# Altium PCB FRONT-UNIT-7.PcbDoc (part 3 of 3)
Units mm, origin at the board's own origin, x right, y up, seen from the top; angles counter-clockwise.
Board outline 280 x 128 mm, 2 copper layers (Top Layer, Top, Bottom Layer, Bottom), stack 1.671 mm thick; 145 components, 118 nets, 623 pads, 1279 vias.
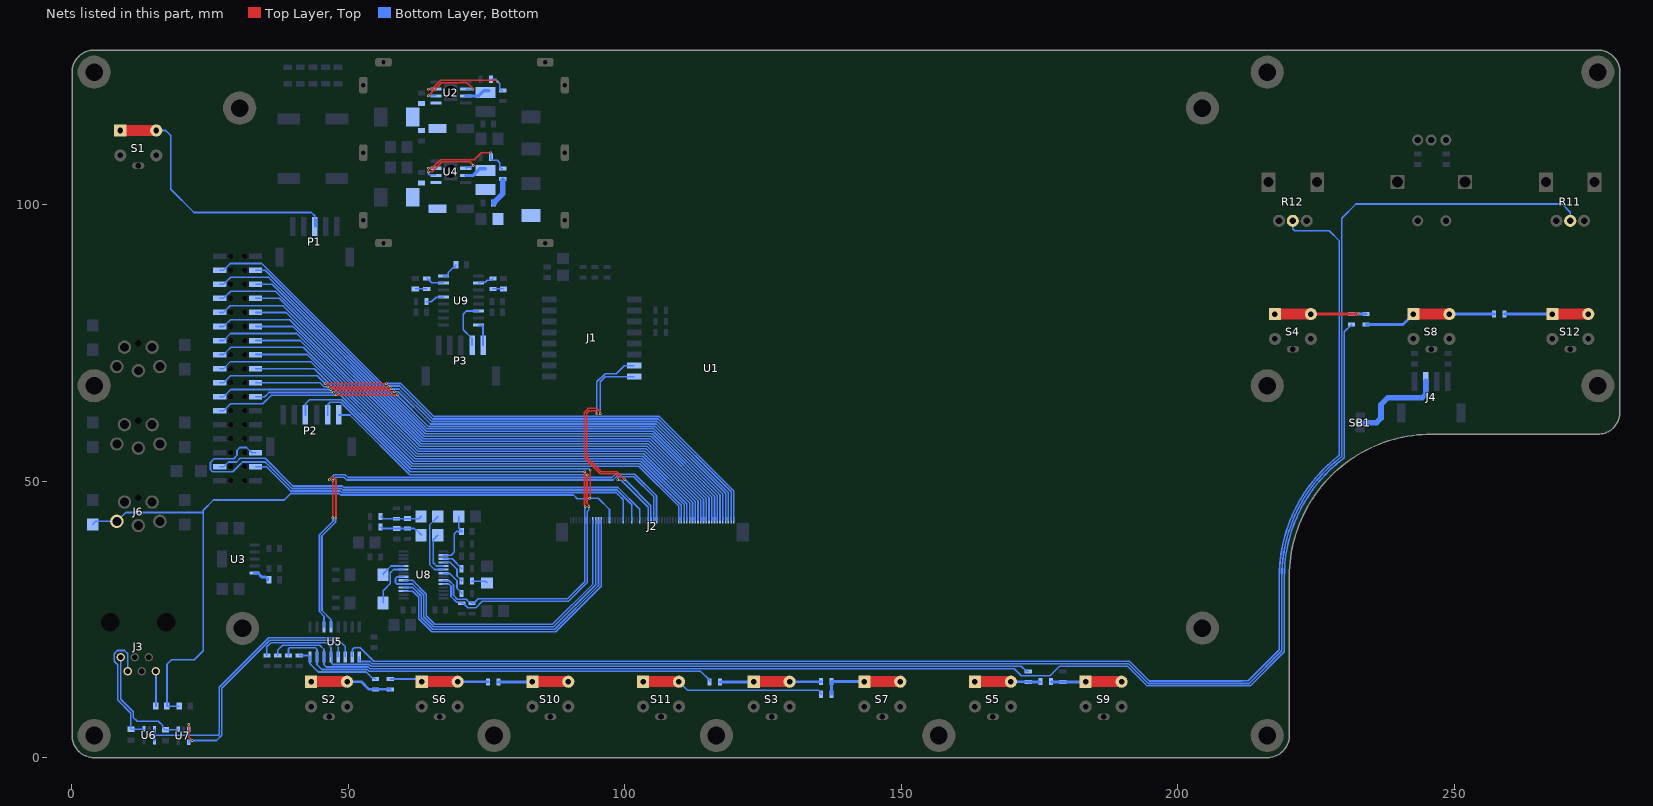
[diagram p3: the nets of this part, all layers, seen from the top]

## Via types
v1: diameter 1.2, hole 0.6, Top Layer, Top to Bottom Layer, Bottom, tented both sides, 1092 vias
v2: diameter 0.45, hole 0.25, Top Layer, Top to Bottom Layer, Bottom, tented both sides, 175 vias
v3: diameter 1, hole 0.25, Top Layer, Top to Bottom Layer, Bottom, tented both sides, 12 vias

## Nets (pads, with @x,y where several pads share a name; then routed paths per layer and width w, separated by ;. In a path a pad name is that pad's centre, name@x,y a point inside that pad or via, vN(x,y) a via of type N, cw(c..) or ccw(c..) an arc to the next point about the centre after c; other vN are vias at no path point) (continued)
MISO: J2.29 U5.12 | length 96.1
  Top Layer, Top w0.3: v2(46.572,50.278) 46.601,50.306 46.601,50.379 46.95,50.728 47.385,50.728 47.752,50.361 v2(47.752,43.375)
  Bottom Layer, Bottom w0.3: v2(46.572,50.278) 46.572,50.318 46.643,50.389 46.643,50.42 47.422,51.199 49.389,51.199 49.911,50.677 97.677,50.677 98.301,51.301 101.809,51.301 105.725,47.385 J2.29@105.725,42.962 ; U5.12@46.863,23.655 46.863,24.981 45.223,26.621 45.223,40.136 47.66,42.573 47.66,43.177 47.667,43.184 47.667,43.25 47.752,43.334 v2(47.752,43.375)
MOSI: J2.30 U5.11 | length 92.5
  Top Layer, Top w0.3: v2(47.142,43.365) 47.142,50.177 v2(47.168,50.203)
  Bottom Layer, Bottom w0.3: U5.11@45.593,23.655 45.593,25.614 44.773,26.434 44.773,40.322 47.21,42.759 47.21,43.194 47.171,43.233 47.171,43.337 v2(47.142,43.365) ; v2(47.168,50.203) 47.714,50.749 49.2,50.749 49.296,50.653 49.299,50.653 49.725,50.227 97.864,50.227 98.487,50.851 101.622,50.851 105.225,47.248 J2.30@105.225,42.962
NetC8_2: C8.2 C10.2 C13.1 L2.2 U2.1 U2.2 U2.6 | length 12.3
  Top Layer, Top w0.254: v2(64.437,119.71) 66.85,122.123 71.448,122.123 71.963,121.609 72.417,121.154 72.417,121.106 72.515,121.008 v2(72.515,120.955)
  Bottom Layer, Bottom w0.254: v2(64.437,119.71) 64.45,119.697 65.814,119.697 U2.2@65.827,119.685 ; U2.6@71.227,120.955 v2(72.515,120.955)
NetC20_2: C20.2 U3.5 | length 2.9
  Bottom Layer, Bottom w0.5: U3.5@33.024,33.401 33.624,33.401 34.318,32.707 35,32.707 35.4,32.307 C20.2@35.4,32.207
NetC21_2: C21.2 C23.1 L5.2 U4.1 U4.2 U4.6 | length 12.5
  Top Layer, Top w0.254: v2(64.437,105.999) 65.13,105.999 66.929,107.798 71.966,107.798 v2(72.568,107.196)
  Bottom Layer, Bottom w0.254: v2(64.437,105.999) 64.47,105.966 64.47,105.682 64.66,105.493 65.663,105.493 U4.2@65.827,105.329 ; U4.6@71.227,106.599 71.4,106.772 72.144,106.772 v2(72.568,107.196)
NetC24_1: C24.1 C25.2 L4.1 L6.2 R10.2 | length 4.8
  Bottom Layer, Bottom w1: C25.2@76.332,100.33 76.332,100.43 77.925,102.023 R10.2@77.925,104.496
NetC34_1: C34.1 U8.20 | length 12.2
  Bottom Layer, Bottom w0.3: C34.1@66.158,43.659 66.158,43.559 64.683,42.084 64.683,34.936 65.585,34.034 U8.20@67.183,34.034
NetC34_2: C34.2 C39.2 R35.2 R38.2 | length 7.7
  Bottom Layer, Bottom w0.3: R35.2@55.833,43.659 56.283,43.209 60.683,43.209 62.708,43.209 C34.2@63.158,43.659
NetC37_1: C37.1 U8.19 | length 7.4
  Bottom Layer, Bottom w0.3: C37.1@66.158,40.234 65.358,39.434 65.358,35.259 65.933,34.684 U8.19@67.183,34.684
NetC37_2: C37.2 C38.2 R36.2 R37.2 | length 8
  Bottom Layer, Bottom w0.3: R36.2@55.833,41.709 56.083,41.46 C38.2@58.733,41.459 61.933,41.46 62.208,41.184 62.308,41.184 63.158,40.334 C37.2@63.158,40.234
NetC42_1: C42.1 R39.1 | length 2.9
  Bottom Layer, Bottom w0.3: R39.1@72.358,31.949 74.768,31.949 C42.1@75.083,31.634
NetC43_2: C43.2 C44.1 U8.16 | length 10
  Bottom Layer, Bottom w0.3: U8.16@67.183,36.634 68.583,36.634 69.158,37.209 69.158,40.509 69.558,40.909 70.533,40.909 70.533,41.009 69.958,41.584 C44.1@69.958,43.659
NetC46_2: C46.2 U8.9 | length 8.6
  Bottom Layer, Bottom w0.3: C46.2@56.274,28.016 56.274,30.213 57.569,31.508 57.569,33.464 58.139,34.034 U8.9@59.983,34.034
NetC47_2: C47.2 U8.10 | length 4.5
  Bottom Layer, Bottom w0.3: C47.2@56.274,33.096 56.274,33.266 57.692,34.684 U8.10@59.983,34.684
NetC50_1: C50.1 R45.2 | length 2.1
  Bottom Layer, Bottom w0.254: C50.1@62.103,84.8 R45.2@64.16,84.8
NetC51_1: C51.1 R46.2 | length 1.9
  Bottom Layer, Bottom w0.3: R46.2@76.149,84.8 C51.1@78.029,84.8
NetC53_1: C53.1 U9.8 | length 3.5
  Bottom Layer, Bottom w0.3: U9.8@67.212,87.146 67.912,87.146 68.062,87.296 68.062,87.782 68.933,88.654 69.133,88.654 69.433,88.954 C53.1@69.433,89.154
NetJ1_15: J1.15 J2.31 | length 41.8
  Top Layer, Top w0.254: v2(94.961,62.25) 94.961,62.303 94.863,62.401 94.863,62.458 94.532,62.789 93.59,62.789 93.155,62.354 93.155,54.368 95.764,51.759 98.503,51.759 v2(99.985,50.277)
  Bottom Layer, Bottom w0.254: v2(94.961,62.25) 94.961,67.986 96.428,69.453 98.448,69.453 99.915,70.921 J1.15@101.705,70.921 ; v2(99.985,50.277) 100.038,50.277 100.252,50.063 100.259,50.063 104.725,45.597 J2.31@104.725,42.962
NetJ1_16: J1.16 J2.32 | length 42.3
  Top Layer, Top w0.254: v2(95.561,62.25) 95.526,62.285 95.526,62.564 94.897,63.193 93.423,63.193 93.088,62.858 93.083,62.858 92.653,62.428 92.653,54.26 95.558,51.355 98.336,51.355 98.681,51.01 v2(98.681,50.302)
  Bottom Layer, Bottom w0.254: v2(95.561,62.25) 95.561,68.015 96.467,68.921 J1.16@101.705,68.921 ; v2(98.681,50.302) 98.734,50.302 98.832,50.204 99.348,50.204 104.225,45.327 J2.32@104.225,42.962
NetJ2_1: J2.1 U1.19 | length 107.5
  Top Layer, Top w0.3: v2(45.796,67.64) 45.813,67.657 v2(56.845,67.657)
  Bottom Layer, Bottom w0.3: U1.19@26.713,67.842 27.413,67.842 27.783,68.212 27.783,68.215 28.668,69.1 44.336,69.1 v2(45.796,67.64) ; v2(56.845,67.657) 56.874,67.686 57.102,67.686 57.108,67.691 59.452,67.691 65.418,61.725 106.245,61.725 119.725,48.245 J2.1@119.725,42.962
NetJ2_2: J2.2 U1.20 | length 99.4
  Top Layer, Top w0.3: v2(46.279,67.132) 57.25,67.132 57.284,67.166 v2(57.325,67.166)
  Bottom Layer, Bottom w0.3: U1.20@33.213,67.842 44.852,67.842 45.579,67.115 46.262,67.115 v2(46.279,67.132) ; v2(57.325,67.166) 57.354,67.195 57.525,67.195 57.565,67.234 59.272,67.234 65.232,61.275 106.059,61.275 119.225,48.109 J2.2@119.225,42.962
NetJ2_3: J2.3 U1.21 | length 105.4
  Top Layer, Top w0.3: v2(46.838,66.599) 46.866,66.627 47.064,66.627 47.077,66.641 57.674,66.641 57.742,66.709 v2(57.782,66.709)
  Bottom Layer, Bottom w0.3: U1.21@26.713,65.302 27.413,65.302 27.783,65.672 27.783,65.675 28.708,66.6 v2(46.838,66.599) v2(46.838,66.599) ; v2(57.782,66.709) 59.161,66.709 65.045,60.825 105.872,60.825 118.725,47.972 J2.3@118.725,42.962
NetJ2_4: J2.4 U1.22 | length 97.9
  Top Layer, Top w0.3: v2(47.295,66.116) 47.323,66.145 47.546,66.145 47.585,66.184 v2(58.307,66.184)
  Bottom Layer, Bottom w0.3: U1.22@33.213,65.302 34.873,65.302 35.645,66.074 47.055,66.074 47.069,66.088 47.266,66.088 v2(47.295,66.116) ; v2(58.307,66.184) 58.333,66.21 59.024,66.21 64.859,60.375 105.686,60.375 118.225,47.836 J2.4@118.225,42.962
NetJ2_5: J2.5 U1.23 | length 104.5
  Top Layer, Top w0.3: v2(47.777,65.634) 47.803,65.659 58.781,65.659 v2(58.807,65.685) ; v2@58.776,65.634 v2@58.798,65.656
  Bottom Layer, Bottom w0.3: U1.23@26.713,62.762 27.413,62.762 27.783,63.132 27.783,63.135 28.682,64.033 34.519,64.033 36.076,65.591 47.512,65.591 47.526,65.605 47.749,65.605 v2(47.777,65.634) ; v2@58.754,65.632 64.46,59.925 105.5,59.925 117.725,47.7 J2.5@117.725,42.962
NetJ2_6: J2.6 U1.3 | length 113
  Bottom Layer, Bottom w0.3: U1.3@26.713,88.162 27.413,88.162 27.783,88.532 27.783,88.535 28.648,89.4 34.349,89.4 64.274,59.475 105.313,59.475 117.225,47.563 J2.6@117.225,42.962
NetJ2_7: J2.7 U1.4 | length 104.8
  Bottom Layer, Bottom w0.3: U1.4@33.213,88.162 34.95,88.162 64.087,59.025 105.127,59.025 116.725,47.427 J2.7@116.725,42.962
NetJ2_8: J2.8 U1.5 | length 110.8
  Bottom Layer, Bottom w0.3: U1.5@26.713,85.622 27.413,85.622 27.783,85.992 27.783,85.995 28.707,86.919 35.557,86.919 63.901,58.575 104.94,58.575 116.225,47.29 J2.8@116.225,42.962
NetJ2_9: J2.9 U1.6 | length 102.6
  Bottom Layer, Bottom w0.3: U1.6@33.213,85.622 36.218,85.622 63.715,58.125 104.754,58.125 115.725,47.154 J2.9@115.725,42.962
NetJ2_10: J2.10 U1.7 | length 108.6
  Bottom Layer, Bottom w0.3: U1.7@26.713,83.082 27.413,83.082 27.783,83.452 27.783,83.455 28.707,84.379 36.824,84.379 63.528,57.675 104.568,57.675 115.225,47.018 J2.10@115.225,42.962
NetJ2_11: J2.11 U1.8 | length 100.4
  Bottom Layer, Bottom w0.3: U1.8@33.213,83.082 37.485,83.082 63.342,57.225 104.381,57.225 114.725,46.881 J2.11@114.725,42.962
NetJ2_12: J2.12 U1.9 | length 106.3
  Bottom Layer, Bottom w0.3: U1.9@26.713,80.542 27.413,80.542 27.783,80.912 27.783,80.915 28.631,81.763 38.168,81.763 63.155,56.775 104.195,56.775 114.225,46.745 J2.12@114.225,42.962
NetJ2_13: J2.13 U1.10 | length 98.2
  Bottom Layer, Bottom w0.3: U1.10@33.213,80.542 38.752,80.542 62.969,56.325 104.008,56.325 113.725,46.608 J2.13@113.725,42.962
NetJ2_14: J2.14 U1.11 | length 104.1
  Bottom Layer, Bottom w0.3: U1.11@26.713,78.002 27.413,78.002 27.783,78.372 27.783,78.375 28.656,79.248 39.41,79.248 62.783,55.875 103.822,55.875 113.225,46.472 J2.14@113.225,42.962
NetJ2_15: J2.15 U1.12 | length 96
  Bottom Layer, Bottom w0.3: U1.12@33.213,78.002 40.019,78.002 62.596,55.425 103.636,55.425 112.725,46.336 J2.15@112.725,42.962
NetJ2_16: J2.16 U1.13 | length 101.9
  Bottom Layer, Bottom w0.3: U1.13@26.713,75.462 27.413,75.462 27.783,75.832 27.783,75.835 28.682,76.733 40.651,76.733 62.41,54.975 103.449,54.975 112.225,46.199 J2.16@112.225,42.962
NetJ2_17: J2.17 U1.14 | length 93.8
  Bottom Layer, Bottom w0.3: U1.14@33.213,75.462 41.286,75.462 62.223,54.525 103.263,54.525 111.725,46.063 J2.17@111.725,42.962
NetJ2_18: J2.18 U1.15 | length 99.8
  Bottom Layer, Bottom w0.3: U1.15@26.713,72.922 27.413,72.922 27.783,73.292 27.783,73.295 28.758,74.27 41.842,74.27 62.037,54.075 103.077,54.075 111.225,45.926 J2.18@111.225,42.962
NetJ2_19: J2.19 U1.16 | length 91.6
  Bottom Layer, Bottom w0.3: U1.16@33.213,72.922 42.554,72.922 61.851,53.625 102.89,53.625 110.725,45.79 J2.19@110.725,42.962
NetJ2_20: J2.20 U1.17 | length 97.5
  Bottom Layer, Bottom w0.3: U1.17@26.713,70.382 27.413,70.382 27.783,70.752 27.783,70.755 28.682,71.653 43.186,71.653 61.664,53.175 102.704,53.175 110.225,45.654 J2.20@110.225,42.962
NetJ2_21: J2.21 U1.18 | length 89.4
  Bottom Layer, Bottom w0.3: U1.18@33.213,70.382 43.821,70.382 61.478,52.725 102.517,52.725 109.725,45.517 J2.21@109.725,42.962
NetJ3_1: J3.1 R25.1 | length 6.3
  Bottom Layer, Bottom w0.3: J3.1@15.164,15.642 15.189,15.617 15.189,9.331 R25.1@15.18,9.322
NetJ3_5: J3.5 R30.1 U6.1 | length 23.4
  Bottom Layer, Bottom w0.3: J3.5@10.084,15.642 10.084,18.796 9.5,19.38 8.179,19.38 7.62,18.821 7.62,17.475 8.28,16.815 8.28,10.439 10.649,8.07 R30.1@10.649,5.157 U6.1@13.02,5.157
NetJ3_6: J3.6 R31.1 U7.1 | length 21.1
  Bottom Layer, Bottom w0.3: J3.6@8.814,18.182 8.814,10.592 9.119,10.287 11.099,8.306 11.099,7.29 11.786,6.604 15.596,6.604 16.445,5.754 16.445,5.414 16.802,5.057 19.087,5.057 U7.1@19.192,5.162
NetJ4_3: J4.3 SB1.3 | length 17.7
  Bottom Layer, Bottom w1: SB1.3@233.02,60.63 235.991,60.63 236.779,61.417 236.779,63.881 238.023,65.126 244.251,65.126 244.836,65.711 J4.3@244.836,68.057
NetL3_1: L3.1 U2.7 | length 4.6
  Bottom Layer, Bottom w0.6: U2.7@71.227,119.685 73.478,119.685 74.436,120.643 L3.1@75.436,120.643
NetL6_1: L6.1 U4.7 | length 4.1
  Bottom Layer, Bottom w0.6: U4.7@71.227,105.329 72.558,105.329 73.775,106.546 L6.1@74.775,106.546
NetR1_2: R1.2 R2.1 U2.3 | length 18.2
  Top Layer, Top w0.254: v2(64.437,120.955) 65.111,120.955 66.711,122.555 76.729,122.555 76.881,122.403 v2(76.934,122.403)
  Bottom Layer, Bottom w0.254: v2(64.437,120.955) U2.3@65.827,120.955 ; R1.2@75.776,122.707 76.629,122.707 v2(76.934,122.403) 76.934,122.35 77.409,121.874 77.409,120.883 77.632,120.66 R2.1@77.925,120.66
NetR9_2: R9.2 R10.1 U4.3 | length 18.4
  Top Layer, Top w0.254: v2(64.437,106.599) 65.111,106.599 66.714,108.202 72.79,108.202 74.02,109.431 v2(75.776,109.431)
  Bottom Layer, Bottom w0.254: v2(64.437,106.599) U4.3@65.827,106.599 ; v2(75.776,109.431) 75.776,108.318 75.999,108.095 76.916,108.095 77.402,107.609 77.402,106.786 77.625,106.563 R10.1@77.925,106.563
NetR11_2: R11.2 U5.1 | length 298
  Bottom Layer, Bottom w0.3: U5.1@51.943,18.255 51.943,17.555 52.093,17.405 53.894,17.405 54.293,17.006 191.099,17.006 194.667,13.438 212.955,13.438 218.85,19.333 218.85,23.87 218.85,32.809 cw(c220.2,32.81) 218.85,32.836 218.86,33.543 cw(c220.21,33.531) 218.863,33.614 218.943,35.045 cw(c220.291,34.97) 218.95,35.128 219.111,36.552 cw(c220.452,36.403) 219.122,36.634 219.131,36.684 cw(c219.575,36.611) 219.131,36.688 ; 219.131,36.688 219.362,38.047 cw(c220.694,37.824) 219.378,38.126 219.697,39.522 cw(c221.015,39.229) 219.718,39.606 220.115,40.982 ; 220.115,40.982 cw(c221.414,40.614) 220.142,41.067 220.233,41.329 cw(c220.659,41.183) 220.235,41.334 220.615,42.42 cw(c221.89,41.975) 220.643,42.494 220.696,42.62 ccw(c220.419,42.736) 220.697,42.623 220.704,42.639 ; 220.704,42.639 cw(c221.121,42.471) 220.706,42.644 221.193,43.821 cw(c222.441,43.307) 221.226,43.894 221.849,45.189 cw(c223.067,44.606) 221.888,45.263 222.58,46.516 cw(c223.764,45.868) 222.622,46.588 223.386,47.803 cw(c224.531,47.088) 223.432,47.872 224.26,49.038 cw(c225.365,48.264) 224.314,49.11 225.205,50.228 cw(c226.264,49.391) 225.261,50.294 226.215,51.362 cw(c227.225,50.466) 226.271,51.421 227.289,52.439 cw(c228.244,51.485) 227.349,52.496 228.399,53.434 228.413,53.447 cw(c229.319,52.446) 228.481,53.504 ccw(c228.295,53.74) 228.484,53.506 229.041,53.951 ; 229.042,53.951 229.201,54.079 ccw(c229.016,54.314) 229.204,54.08 229.593,54.391 ccw(c229.406,54.625) 229.706,54.625 229.706,97.606 232.25,100.15 269.55,100.15 271.01,98.69 R11.2@271.01,97.11
NetR12_2: R12.2 U5.2 | length 262.1
  Bottom Layer, Bottom w0.3: U5.2@50.673,18.255 50.673,19.507 51.079,19.914 52.121,19.914 54.579,17.456 191.286,17.456 194.854,13.888 211.703,13.888 211.709,13.894 212.771,13.894 218.399,19.522 218.399,20.583 218.4,20.585 218.4,23.901 218.4,31.151 cw(c218.7,31.152) 218.4,31.152 218.4,32.809 cw(c220.2,32.81) 218.4,32.845 218.41,33.548 cw(c220.21,33.531) 218.413,33.64 218.487,34.949 ccw(c218.187,34.967) 218.487,34.95 218.494,35.069 cw(c220.291,34.97) 218.503,35.179 218.663,36.6 cw(c220.452,36.403) 218.679,36.711 218.687,36.758 cw(c219.575,36.611) 218.688,36.765 218.919,38.122 cw(c220.694,37.824) 218.94,38.228 219.257,39.62 cw(c221.015,39.229) 219.286,39.732 219.682,41.105 cw(c221.414,40.614) 219.718,41.218 219.808,41.475 cw(c220.659,41.183) 219.811,41.484 220.19,42.568 cw(c221.89,41.975) 220.229,42.668 220.28,42.791 cw(c220.697,42.623) 220.282,42.798 220.287,42.81 ; 220.291,42.819 220.777,43.993 cw(c222.441,43.307) 220.821,44.091 221.443,45.382 cw(c223.067,44.606) 221.494,45.482 222.186,46.733 cw(c223.764,45.868) 222.242,46.829 223.005,48.043 cw(c224.531,47.088) 223.066,48.134 223.892,49.298 cw(c225.365,48.264) 223.962,49.391 224.851,50.506 cw(c226.264,49.391) 224.926,50.595 225.879,51.661 cw(c227.225,50.466) 225.953,51.74 226.97,52.757 cw(c228.244,51.485) 227.051,52.833 228.097,53.768 ccw(c227.9,53.994) 228.099,53.77 228.111,53.78 cw(c229.319,52.446) 228.201,53.857 cw(c228.484,53.506) 228.204,53.859 228.482,54.08 228.759,54.302 ; R12.2@220.835,97.11 220.835,95.674 221.19,95.319 227.415,95.319 229.256,93.478 229.256,54.842 cw(c228.956,54.842) 229.143,54.608 228.926,54.435 ccw(c229.111,54.198) 228.922,54.431 ccw(c229.202,54.079) 228.92,54.43 ; 228.759,54.302 cw(c229.042,53.951) 228.762,54.304 228.92,54.43
NetR13_1: R13.1 R18.2 U5.8 | length 16.4
  Bottom Layer, Bottom w0.3: R13.1@41.123,18.501 42.903,18.501 43.053,18.351 U5.8@43.053,18.255 43.065,18.243 43.065,16.981 44.53,15.516 53.232,15.516 54.34,14.408 54.707,14.408 R18.2@54.907,14.208
NetR14_1: R14.1 R20.2 U5.5 | length 143.3
  Bottom Layer, Bottom w0.3: R14.1@35.255,18.501 35.255,20.066 36.006,20.817 45.934,20.817 46.838,19.914 46.838,18.28 46.989,18.129 46.989,17.045 47.168,16.866 53.797,16.866 54.109,16.554 171.725,16.554 172.672,15.606 R20.2@172.972,15.606
NetR15_1: R15.1 R17.2 U5.7 | length 81.8
  Bottom Layer, Bottom w0.3: R15.1@39.167,18.501 39.167,19.741 39.343,19.917 43.989,19.917 44.323,19.583 U5.7@44.323,18.255 44.323,16.84 45.198,15.966 53.418,15.966 53.738,15.646 113.701,15.646 115.331,14.016 R17.2@115.331,13.716
NetR16_1: R16.1 R19.2 U5.6 | length 255.3
  Bottom Layer, Bottom w0.3: R16.1@37.211,18.501 37.211,19.482 38.096,20.367 44.809,20.367 45.593,19.583 U5.6@45.593,18.255 45.593,16.84 46.018,16.416 53.605,16.416 53.917,16.104 170.434,16.104 171.704,14.834 176.911,14.834 178.633,16.556 180.097,16.556 180.099,16.554 190.915,16.554 194.481,12.988 213.141,12.988 219.3,19.147 219.3,22.45 219.3,23.229 219.3,32.81 cw(c220.2,32.81) 219.3,32.827 219.31,33.539 cw(c220.21,33.531) 219.312,33.585 219.392,35.021 cw(c220.291,34.97) 219.397,35.076 219.558,36.502 cw(c220.452,36.403) 219.565,36.556 219.575,36.611 219.806,37.974 cw(c220.694,37.824) 219.817,38.026 220.136,39.424 cw(c221.015,39.229) 220.15,39.48 220.548,40.859 cw(c221.414,40.614) 220.566,40.916 220.659,41.182 ccw(c220.375,41.281) 220.659,41.183 221.04,42.272 cw(c221.89,41.975) 221.058,42.32 221.12,42.468 ccw(c220.843,42.583) 221.121,42.471 221.61,43.651 cw(c222.441,43.307) 221.631,43.698 222.255,44.995 cw(c223.067,44.606) 222.281,45.044 222.975,46.3 cw(c223.764,45.868) 223.003,46.348 223.768,47.565 cw(c224.531,47.088) 223.799,47.611 224.628,48.78 cw(c225.365,48.264) 224.664,48.828 225.558,49.949 cw(c226.264,49.391) 225.596,49.994 226.551,51.063 cw(c227.225,50.466) 226.589,51.103 227.607,52.121 cw(c228.244,51.485) 227.647,52.159 228.7,53.1 228.716,53.114 cw(c229.319,52.446) 228.761,53.152 229.883,54.047 cw(c230.446,53.345) 229.926,54.079 230.009,54.138 ccw(c229.834,54.382) 230.118,54.285 ccw(c229.438,54.515) 230.156,54.515 230.156,77.054 R19.2@231.466,78.364
NetR17_1: R17.1 R21.2 S3.1 S3.2 | length 24.8
  Top Layer, Top w2: S3.1@123.307,13.75 S3.2@129.807,13.75
  Bottom Layer, Bottom w0.5: R17.1@117.231,13.716 123.273,13.716 S3.1@123.307,13.75 S3.2@129.807,13.75 135.431,13.75 R21.2@135.473,13.792
NetR18_1: R18.1 R22.2 S2.1 S2.2 | length 21.4
  Top Layer, Top w2: S2.1@43.25,13.75 S2.2@49.75,13.75
  Bottom Layer, Bottom w0.5: S2.1@43.25,13.75 S2.2@49.75,13.75 52.366,13.75 53.746,12.37 57.546,12.37 R22.2@57.582,12.334
NetR19_1: R19.1 R23.2 S4.1 S4.2 | length 17.8
  Top Layer, Top w0.5: S4.2@224.1,80.252 v2@232.766,80.252
  Top Layer, Top w2: S4.1@217.6,80.252 S4.2@224.1,80.252
  Bottom Layer, Bottom w0.5: R19.1@231.466,80.264 v2(232.766,80.264) R23.2@234.066,80.264
NetR20_1: R20.1 R24.2 S5.1 S5.2 | length 18.3
  Top Layer, Top w2: S5.1@163.336,13.75 S5.2@169.836,13.75
  Bottom Layer, Bottom w0.5: S5.1@163.336,13.75 S5.2@169.836,13.75 169.858,13.728 172.95,13.728 R20.1@172.972,13.706 R24.2@175.072,13.706
NetR21_1: R21.1 R26.2 S7.1 S7.2 | length 21.3
  Top Layer, Top w2: S7.1@143.321,13.75 S7.2@149.821,13.75
  Bottom Layer, Bottom w0.5: R26.2@137.373,11.481 R21.1@137.373,13.792 143.279,13.792 S7.1@143.321,13.75 S7.2@149.821,13.75
NetR22_1: R22.1 R27.2 S6.1 S6.2 | length 24.4
  Top Layer, Top w2: S6.1@63.264,13.75 S6.2@69.764,13.75
  Bottom Layer, Bottom w0.3: R22.1@57.582,14.234 62.78,14.234 S6.1@63.264,13.75
  Bottom Layer, Bottom w0.5: S6.1@63.264,13.75 S6.2@69.764,13.75 75.216,13.75 R27.2@75.25,13.716
NetR23_1: R23.1 R28.2 S8.1 S8.2 | length 23.9
  Top Layer, Top w2: S8.1@242.65,80.252 S8.2@249.15,80.252
  Bottom Layer, Bottom w0.5: R23.1@234.066,78.364 240.762,78.364 S8.1@242.65,80.252
  Bottom Layer, Bottom w0.6: S8.2@249.164,80.247 R28.2@257.246,80.247
NetR24_1: R24.1 R29.2 S9.1 S9.2 | length 19.2
  Top Layer, Top w2: S9.1@183.35,13.75 S9.2@189.85,13.75
  Bottom Layer, Bottom w0.5: R24.1@177.172,13.706 R29.2@179.222,13.706 183.306,13.706 S9.1@183.35,13.75 S9.2@189.85,13.75
NetR26_1: R26.1 S11.1 S11.2 | length 39.8
  Top Layer, Top w2: S11.1@103.293,13.75 S11.2@109.793,13.75
  Bottom Layer, Bottom w0.3: S11.2@109.793,13.75 111.325,12.217 135.037,12.217 135.473,11.781 R26.1@135.473,11.481
  Bottom Layer, Bottom w0.5: S11.1@103.293,13.75 S11.2@109.793,13.75
NetR27_1: R27.1 S10.1 S10.2 | length 19.2
  Top Layer, Top w2: S10.1@83.279,13.75 S10.2@89.779,13.75
  Bottom Layer, Bottom w0.5: R27.1@77.15,13.716 77.15,13.691 83.219,13.691 S10.1@83.279,13.75 S10.2@89.779,13.75
NetR28_1: R28.1 S12.1 S12.2 | length 15.1
  Top Layer, Top w2: S12.1@267.775,80.252 S12.2@274.275,80.252
  Bottom Layer, Bottom w0.6: R28.1@259.15,80.252 S12.1@267.775,80.252
NetR34_2: R34.2 U8.21 | length 5.7
  Bottom Layer, Bottom w0.3: U8.21@67.183,33.384 67.233,33.334 68.308,33.334 69.647,31.996 69.647,30.646 70.483,29.809 R34.2@70.483,29.709
NetR39_2: R39.2 U8.18 | length 5.4
  Bottom Layer, Bottom w0.3: U8.18@67.183,35.334 68.383,35.334 69.647,34.071 69.647,32.861 70.458,32.049 R39.2@70.458,31.949
NetR40_2: R40.2 U8.17 | length 4.1
  Bottom Layer, Bottom w0.3: U8.17@67.183,35.984 68.763,35.984 70.458,34.289 R40.2@70.458,34.189
NetR44_1: R44.1 U9.5 | length 3.5
  Bottom Layer, Bottom w0.254: R44.1@64.094,82.499 65.024,82.499 65.861,83.336 U9.5@67.212,83.336
NetR45_1: R45.1 U9.7 | length 3.4
  Bottom Layer, Bottom w0.254: R45.1@64.16,86.7 64.26,86.7 65.085,85.876 U9.7@67.212,85.876
NetR46_1: R46.1 U9.10 | length 2.9
  Bottom Layer, Bottom w0.3: U9.10@73.562,85.876 73.699,86.013 74.761,86.013 75.125,86.377 75.826,86.377 R46.1@76.149,86.7
PA_CURRENT_SCL: J2.54 P2.1 R33.1 U8.24 | length 100
  Top Layer, Top w0.3: v2(93.218,51.206) 93.218,51.166 93.143,51.091 93.143,46.06 93.443,45.76 93.443,45.444 v2(93.472,45.415)
  Bottom Layer, Bottom w0.3: P2.1@48.231,62.006 50.287,62.006 61.087,51.206 v2(93.218,51.206) ; U8.24@67.183,31.434 67.233,31.384 68.233,31.384 68.558,31.059 68.558,29.174 69.582,28.15 70.285,28.15 R33.1@70.485,27.95 70.785,27.95 71.583,27.153 73.076,27.153 74.226,28.303 89.823,28.303 93.225,31.705 J2.54@93.225,42.962 93.225,44.59 93.443,44.808 93.443,45.387 v2(93.472,45.415)
PA_CURRENT_SDA: J2.55 P2.2 R32.1 U8.23 | length 103.7
  Top Layer, Top w0.3: v2(92.751,51.731) 92.751,51.691 92.693,51.633 92.693,45.661 92.796,45.558 92.796,45.452 v2(92.824,45.424)
  Bottom Layer, Bottom w0.3: P2.2@46.231,62.006 46.279,62.054 46.279,63.856 46.718,64.295 48.635,64.295 61.199,51.731 v2(92.751,51.731) ; U8.23@67.183,32.084 67.233,32.034 68.22,32.034 69.008,31.246 69.008,29.36 69.709,28.659 71.315,28.659 71.824,28.15 72.165,28.15 R32.1@72.365,27.95 72.665,27.95 73.467,28.753 89.637,28.753 92.725,31.841 J2.55@92.725,42.962 92.725,44.922 92.824,45.022 v2(92.824,45.424)
POWER_SW: P1.3 S1.1 S1.2 | length 50.6
  Top Layer, Top w2: S1.1@8.739,113.451 S1.2@15.239,113.451
  Bottom Layer, Bottom w0.3: S1.2@15.239,113.451 16.978,113.451 17.882,112.547 17.882,102.819 22.073,98.628 43.307,98.628 43.891,98.044 P1.3@43.891,96.096 ; P1.3@44.176,95.938 P1.3@44.176,97.353
PTT: C27.2 D2.1 J2.46 J6.6 P2.4 R25.2 | length 205.9
  Top Layer, Top w0.3: v2(93.668,46.924) 93.668,46.964 93.743,47.039 93.743,49.232 93.743,52.028 v2(93.726,52.045)
  Bottom Layer, Bottom w0.3: D2.1@3.75,42.225 D2.1@3.75,42.2 4.3,42.75 J6.6@8.1,42.75 9.715,44.365 23.725,44.365 ; C27.2@19.422,9.322 R25.2@17.18,9.322 17.18,16.926 17.986,17.732 22.111,17.732 23.725,19.346 23.725,44.365 ; P2.4@42.231,62.006 42.237,62.013 42.237,64.03 42.951,64.745 48.822,64.745 61.292,52.275 93.475,52.275 93.706,52.045 v2(93.726,52.045) ; v2(93.668,46.924) 93.639,46.895 93.326,46.895 93.28,46.849 91.378,46.849 90.7,47.527 48.606,47.527 48.331,47.803 39.573,47.803 38.398,46.627 25.589,46.627 23.725,44.763 23.725,44.365 ; v2@93.678,46.924 95.199,46.924 97.225,44.898 J2.46@97.225,42.962
PTT_SW1: U5.3 U6.3 U6.4 | length 51.7
  Bottom Layer, Bottom w0.3: U6.4@14.92,2.864 14.92,4.057 ; U6.3@14.92,5.264 14.92,4.057 ; U5.3@49.403,18.255 49.403,20.117 47.803,21.717 35.611,21.717 26.619,12.725 26.619,4.233 26.443,4.057 14.92,4.057
PTT_SW2: U5.4 U7.3 U7.4 | length 46.3
  Top Layer, Top w0.3: v2(21.092,6.086) 21.092,3.761 v2(21.741,3.112)
  Bottom Layer, Bottom w0.3: U7.4@21.092,2.762 21.092,2.962 21.242,3.112 v2(21.741,3.112) 26.135,3.112 27.069,4.046 27.069,12.539 35.797,21.267 47.059,21.267 48.133,20.193 U5.4@48.133,18.255 ; U7.3@21.092,5.162 v2(21.092,6.086)
R+: P3.1 U9.16 | length 4.4
  Bottom Layer, Bottom w0.3: U9.16@73.562,78.256 74.208,78.256 74.358,78.106 P3.1@74.358,74.582
R-: P3.2 U9.14 | length 9.3
  Bottom Layer, Bottom w0.3: P3.2@72.358,74.582 72.358,75.832 70.764,77.426 70.764,80.239 71.323,80.797 73.561,80.797 U9.14@73.562,80.796
T_INT: J2.38 U1.30 | length 94.6
  Bottom Layer, Bottom w0.3: U1.30@33.213,55.142 32.513,55.142 31.555,56.1 30.35,56.1 29.85,55.6 29.85,54.7 29.25,54.1 25.7,54.1 25.051,53.451 25.051,52.14 25.489,51.702 29.056,51.702 30.323,52.969 30.323,52.975 30.85,53.502 34.939,53.502 39.739,48.703 48.703,48.703 48.979,48.427 98.584,48.427 98.828,48.184 101.225,45.786 J2.38@101.225,42.962
T_SCL: J2.41 U1.32 | length 72.7
  Bottom Layer, Bottom w0.3: U1.32@33.213,52.602 35.203,52.602 39.552,48.253 48.517,48.253 48.793,47.977 98.398,47.977 98.75,47.625 99.725,46.65 J2.41@99.725,42.962
T_SDA: J2.35 U1.31 | length 82.4
  Bottom Layer, Bottom w0.3: U1.31@26.713,52.602 27.413,52.602 27.783,52.972 27.783,52.975 28.31,53.502 29.753,53.502 30.393,54.142 34.936,54.142 39.925,49.153 48.89,49.153 49.165,48.877 98.771,48.877 102.725,44.923 J2.35@102.725,42.962
WM8731_ADC_SD: J2.52 U8.6 | length 54.4
  Bottom Layer, Bottom w0.3: U8.6@59.983,32.084 61.592,32.084 64.083,29.594 64.083,25.674 65.624,24.132 86.925,24.132 94.225,31.432 J2.52@94.225,42.962
WM8731_BCLK: J2.49 U8.3 | length 56.4
  Bottom Layer, Bottom w0.3: U8.3@59.983,30.134 61.633,30.134 62.733,29.034 62.733,25.114 65.065,22.782 87.485,22.782 95.725,31.023 J2.49@95.725,42.962
WM8731_DAC_SD: J2.50 U8.4 | length 55.8
  Bottom Layer, Bottom w0.3: U8.4@59.983,30.784 61.62,30.784 63.183,29.221 63.183,25.301 65.251,23.232 87.298,23.232 95.225,31.159 J2.50@95.225,42.962
WM8731_WS_LRC: J2.51 U8.5 U8.7 | length 59
  Bottom Layer, Bottom w0.3: U8.7@59.983,32.734 58.808,32.734 58.508,32.434 58.508,31.684 58.758,31.434 61.606,31.434 63.633,29.407 63.633,25.487 65.438,23.682 87.112,23.682 94.725,31.296 J2.51@94.725,42.962
pads on no net: J1.1 J1.2 J1.4 J1.5 J1.6 J1.7 J1.13 J1.14 J2.24 J2.25 J2.26 J2.57 J2.58 J2.59 J2.60 J3.7 J3.8 J5.4 J5.5 J5.MH1 J6.4 J6.5 J6.MH1 J7.MH1 S1.5 U1. U1.1 U1.24 U1.27 U1.28 U1.29 U6. U7. U8.2 U8.12 U8.13 U8.26

## Polygon pours and split planes (outlines as drawn)
GND on Top Layer, Top "GND_L01_P000" (solid, remove dead copper, pour order 0): 0.006,124.003 cw(c4.013,124.003) 4.013,128.01 275.996,128.01 cw(c275.996,124.003) 280.003,124.003 280.003,62.522 cw(c275.994,62.522) 275.994,58.513 245.897,58.513 ccw(c245.897,32.815) 220.2,32.815 220.2,4.013 cw(c216.193,4.013) 216.193,0.006 4.013,0.006 cw(c4.013,4.013) 0.006,4.013
GND on Bottom Layer, Bottom "GND_L02_P001" (solid, remove dead copper, pour order 1): 0.006,124.003 cw(c4.013,124.003) 4.013,128.01 275.996,128.01 cw(c275.996,124.003) 280.003,124.003 280.003,62.522 cw(c275.994,62.522) 275.994,58.513 245.897,58.513 ccw(c245.897,32.81) 220.195,32.81 220.2,4.013 cw(c216.193,4.013) 216.193,0.006 4.013,0.006 cw(c4.013,4.013) 0.006,4.013

## Keep-outs
Keep-Out Layer, Board:
  lines w0.2: 275.996,58.51 245.9,58.51 ccw(c245.9,32.81) 220.2,32.81 220.2,4.013 cw(c216.193,4.013) 216.193,0.006 4.013,0.006 cw(c4.013,4.013) 0.006,4.013 0.006,124.003 cw(c4.013,124.003) 4.013,128.01 275.996,128.01 cw(c275.996,124.003) 280.003,124.003 280.003,62.52 cw(c275.996,62.52) 275.996,58.513
  lines w0.254: 91.796,97.638 108.001,97.638 108.001,107.62 91.796,107.62 91.796,97.638

## Other copper
Bottom Layer, Bottom:
  rectangle net +3V3: 67.133,25.222 76.073,26.734
  rectangle net NetC8_2: 64.821,118.415 66.827,119.995
  rectangle net NetC21_2: 64.821,104.059 66.827,105.639
  rectangle net +13.8: 54.635,99.695 58.598,117.577
  rectangle net +13.8: 48.057,100.508 57.023,105.105
  rectangle net +13.8: 48.336,114.198 57.023,117.577
  rectangle net 5V: 76.02,114.732 84.707,117.253
  region net 5V: 79.855,110.471 79.855,117.253 76.02,117.253 76.02,110.471
  rectangle net +LCD_3V3: 81.252,102.692 84.707,106.297
  region net +5: 84.762,111.277 81.307,111.277 81.307,107.673 84.762,107.673
  region net NetC24_1: 79.855,96.368 79.855,103.784 75.794,103.784 75.794,96.368
  rectangle net NetC24_1: 76.02,96.368 84.707,99.263
  rectangle net NetC21_2: 64.691,98.476 66.825,104.419
  rectangle net GND: 97.612,40.716 98.882,46.33
  rectangle net GND: 106.096,41.3 106.858,46.311
  rectangle net +3V3: 50.368,21.336 55.397,24.638
  rectangle net +13.8: 38.227,117.627 50.546,122.758
  rectangle net +13.8: 47.396,93.853 50.546,104.369
  rectangle net +3V3: 85.014,82.423 89.891,87.554
  rectangle net +3V3: 29.185,34.239 36.043,34.976
  rectangle net +3V3: 29.185,29.388 31.471,34.976
  rectangle net +5: 29.185,36.906 36.093,44.044
  rectangle net +13.8: 45.644,102.768 50.546,118.72
  rectangle net NetC21_2: 60.427,99.72 66.825,104.419
  rectangle net NetC8_2: 60.427,113.03 66.777,118.72

## Silkscreen, mask and mechanical layers (free items; w line width, h text height)
Top Overlay:
  drawing of 3252 lines, arcs and shapes, not listed
  text "SHIFT" at 215.773,113.309 h4
  text "AF GAIN" at 263.983,113.309 h4
  text "ON/OFF" at 5.408,103.042 h4
  text "A/B" at 218.057,86.106 h4
  text "MODE+" at 239.718,86.106 h4
  text "BAND+" at 265.237,86.106 h4
  text "A=B" at 217.508,82.931 h4
  text "MODE-" at 240.124,82.931 h4
  text "BAND-" at 265.643,82.931 h4
  text "LINEIN" at 6.507,77.034 h4
  text "WOLF" at 141.199,68.758 h20
  text "UA3REO" at 145.974,59.792 h10
  text "LZ1HAA" at 155.956,54 h5
  text "HEADPHONE" at 0.889,51.41 h4
  text "MIC+PTT" at 4.47,37.77 h4
  text "MH-36/MH-48" at 0.965,32.639 h4
  text "B" at 9.195,10.897 h1.5 r90
  text "A" at 10.464,10.897 h1.5 r90
  text "+5V" at 11.749,10.897 h1.5 r90
  text "GND" at 13.051,10.897 h1.5 r90
  text "MIC" at 14.352,10.897 h1.5 r90
  text "PTT" at 15.621,10.897 h1.5 r90
  text "F4" at 104.687,2.984 h4
  text "F5" at 124.687,2.984 h4
  text "F7" at 164.725,2.984 h4
  text "F1" at 44.882,2.972 h4
  text "F2" at 64.666,2.972 h4
  text "F3" at 84.668,2.972 h4
  text "F6" at 144.711,2.972 h4
  text "F8" at 184.736,2.972 h4
Bottom Overlay:
  drawing of 3303 lines, arcs and shapes, not listed
  text "Front-Unit-7'" at 140.319,115.281 h2
  text "Mod_LZ1HAA" at 140.319,111.676 h2
  text "Rev_1.0.0" at 140.319,108.07 h2
  text "+13.8V" at 51.689,82.677 h5
  text "WOLF" at 187.477,68.783 h20
  text "7' LCD" at 35.712,65.557 h5 r270
  text "+3.3V" at 235.179,63.348 h1
  text "Encoder" at 269.342,61.138 h5
  text "SPEAKER" at 80.747,61.112 h5
  text "Encoder" at 230.149,61.087 h1
  text "WI-FI" at 99.695,61.062 h5
  text "UA3REO" at 182.261,59.842 h10
  text "Power Selector" at 230.149,59.385 h1
  text "+5V" at 234.417,56.947 h1
  text "LZ1HAA" at 172.699,54 h5
  text "KEY/PTT" at 53.467,49.555 h5
  text "MOTHERBOARD" at 122.123,47.981 h5
  text "WFU7D0922R100" at 188.456,36.297 h3
Bottom Solder, Bot Mask:
  lines w3: 52.692,98.654 52.692,93.091 89.156,93.091 89.156,103.073 ; 52.692,120.218 52.692,125.808 89.156,125.808 89.156,110.947 ; 52.703,107.975 52.703,110.947 ; 89.166,107.213 89.166,110.947
Mechanical 1, Top Assy:
  circle w0.254: c30.84,23.4 r3.5
  circle w0.254: c30.33,117.5 r3.5

## Dimensions
4.013,128.01 to 4.013,0.006 on Mechanical 13
216.205,4.013 to 220.2,4.013 on Mechanical 1, Top Assy
12.004,33 to 0,0 on Mechanical 1, Top Assy
116.561,4.013 to 76.327,4.013 on Mechanical 1, Top Assy
116.561,4.013 to 156.794,4.013 on Mechanical 1, Top Assy
156.794,4.013 to 216.205,4.013 on Mechanical 1, Top Assy
4.013,4.013 to 216.205,4.013 on Mechanical 1, Top Assy
4.013,4.013 to 0,0 on Mechanical 1, Top Assy
0,128.01 to 4.013,124.003 on Mechanical 1, Top Assy
280,63.275 to 275.996,67.285 on Mechanical 1, Top Assy
275.996,124.003 to 275.996,67.285 on Mechanical 1, Top Assy
275.996,124.003 to 216.205,124.003 on Mechanical 1, Top Assy
280,128.01 to 275.996,124.003 on Mechanical 1, Top Assy
280,128.01 to 275.996,124.003 on Mechanical 1, Top Assy
12,70 to 12,84 on Mechanical 1, Top Assy
12,56 to 12,70 on Mechanical 1, Top Assy
12,42 to 12,56 on Mechanical 1, Top Assy
0,0 to 12,42 on Mechanical 1, Top Assy
0,0 to 12,47 on Mechanical 1, Top Assy
0.006,4.013 to 280,128.575 on Mechanical 1, Top Assy
0,128 to 0,0 on Mechanical 1, Top Assy

## Text inside footprints (layer, text, board x,y; h text height)
U1: Top Overlay "RA8875 7' 800*480" at 102.216,76.097 h1.67; Top Overlay "LCD-MODULE" at 106.153,79.78 h1.67